# Altium PCB Base_logic_gate.PcbDoc
Units mil, origin at the board's own origin, x right, y up, seen from the top; angles counter-clockwise.
Board outline 3937.01 x 2433.07 mil, 2 copper layers (Top Layer, Bottom Layer); 104 components, 57 nets, 330 pads, 44 vias.
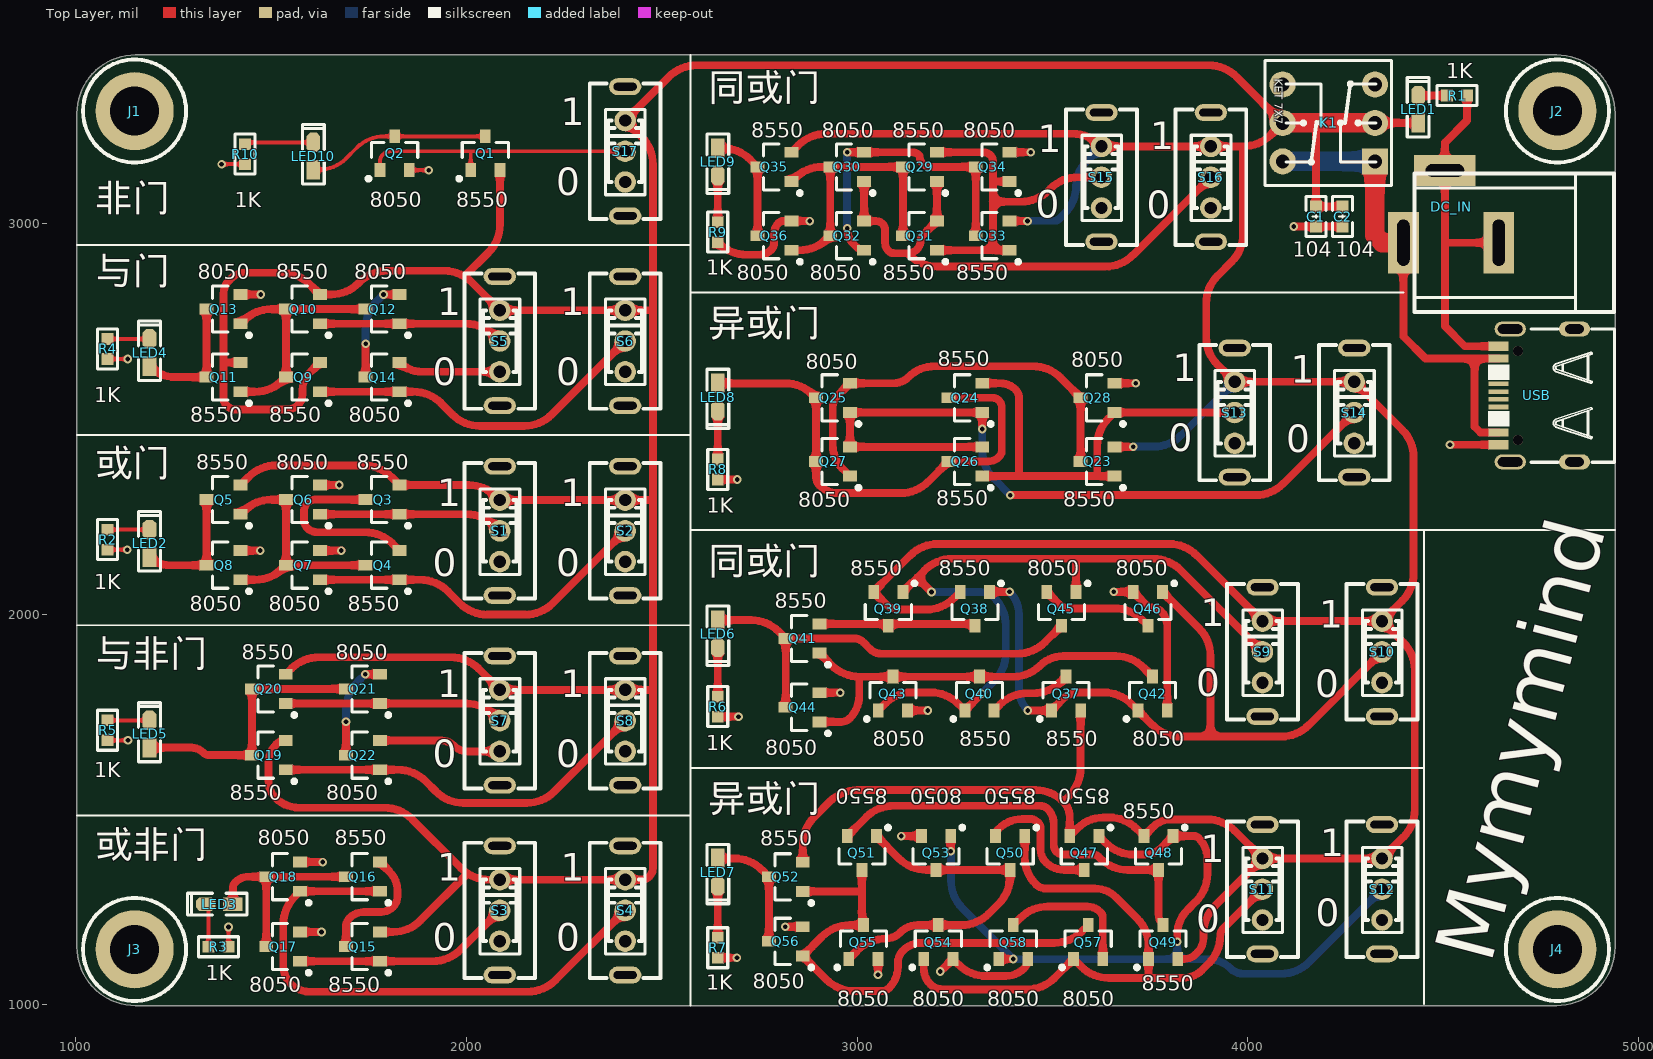
[diagram p0: Top Layer view]
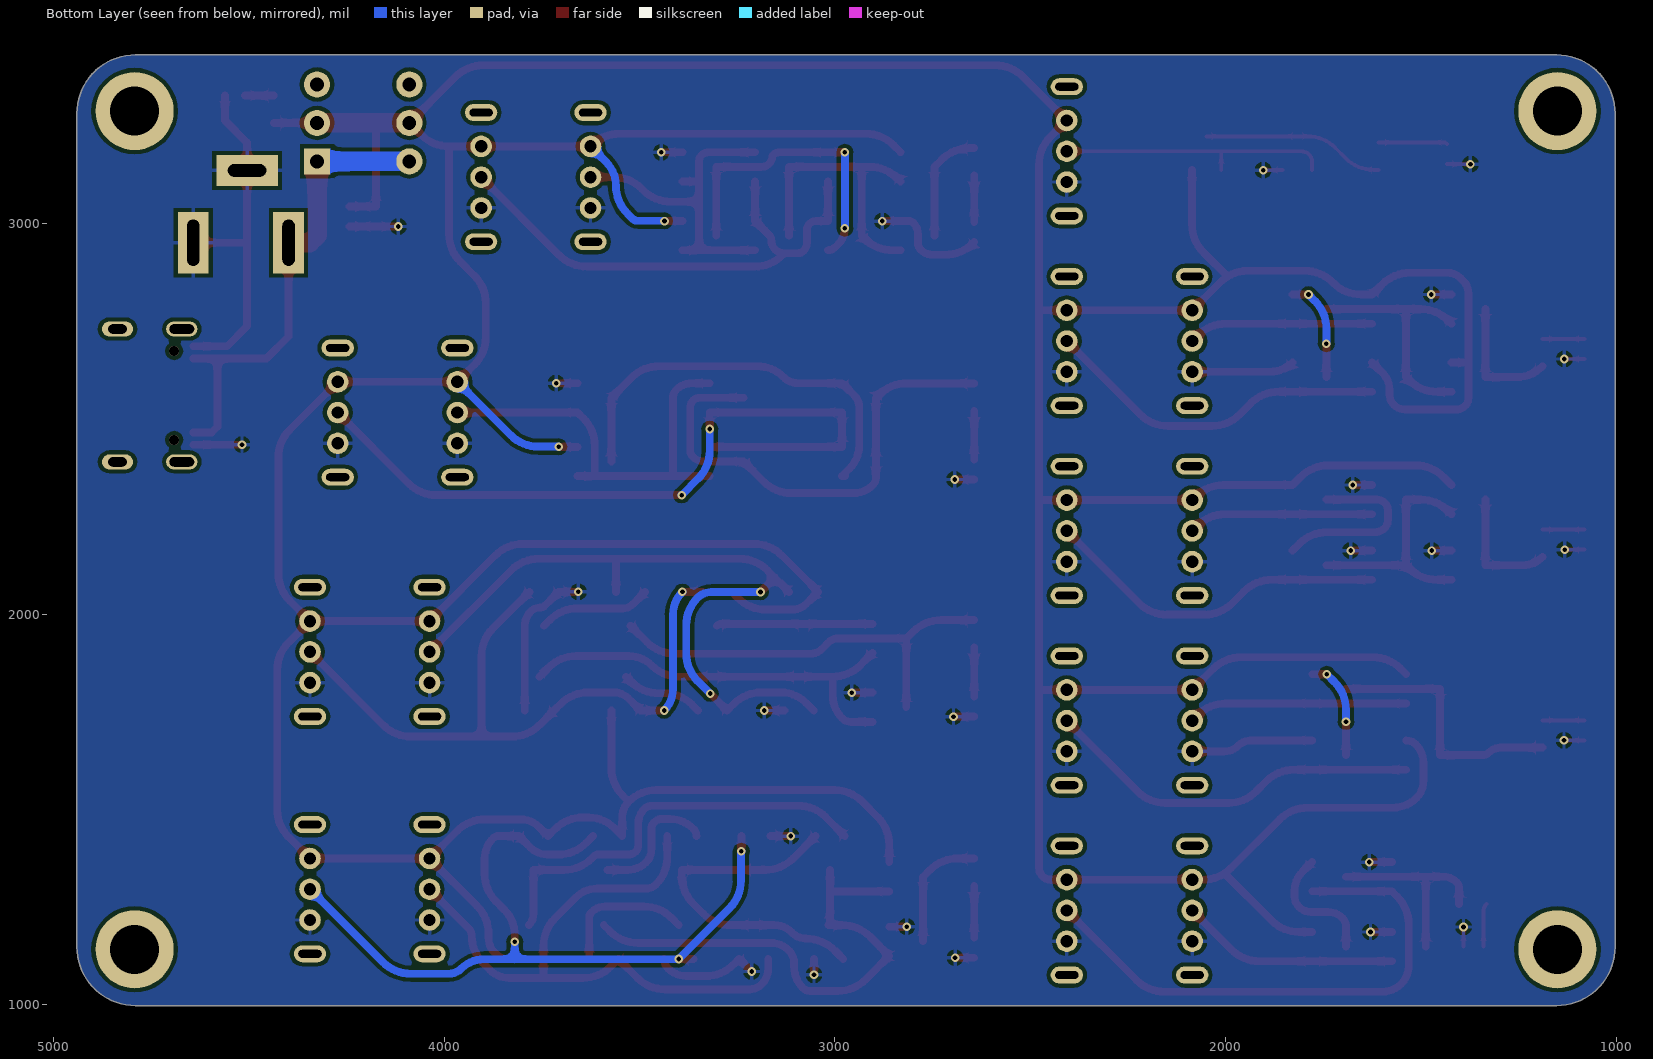
[diagram p1: Bottom Layer view, seen from below]
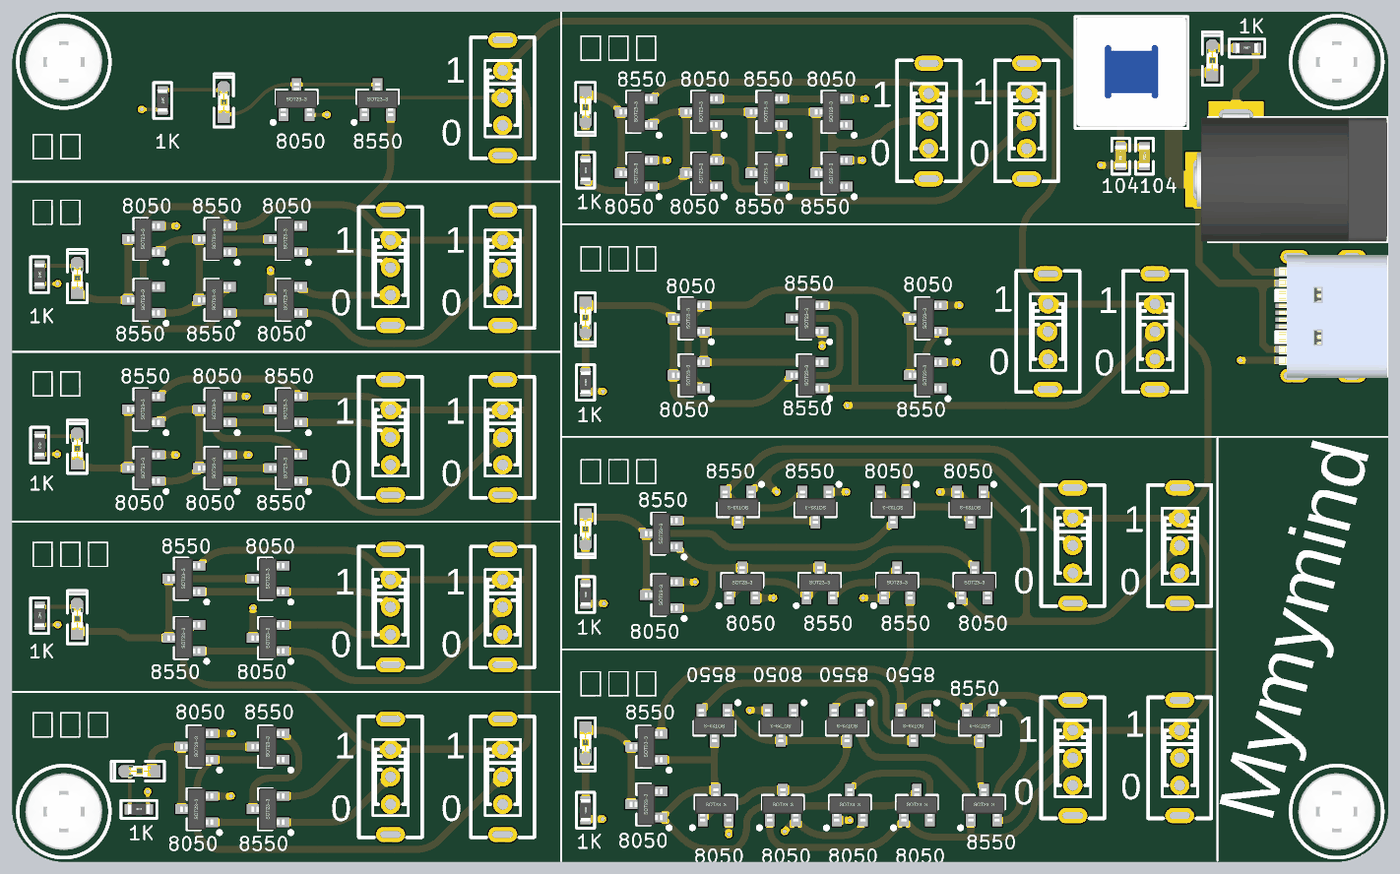
[diagram p2: 3D render of the assembled board from above, using the file's embedded part models]

## Layer stack, top to bottom
Top Solder: solder mask 0.4, Solder Resist, Dk 3.5
Top Layer: signal copper 1.4
Dielectric 1: dielectric 12.6, FR-4, Dk 4.8
Bottom Layer: signal copper 1.4
Bottom Solder: solder mask 0.4, Solder Resist, Dk 3.5

## Board outline
1002.63,1148.63 1002.63,3281.7 cw(c1152.63,3281.7) 1152.63,3431.7 4789.64,3431.7 cw(c4789.64,3281.7) 4939.64,3281.7 4939.64,1148.63 cw(c4789.64,1148.63) 4789.64,998.63 1152.63,998.63 cw(c1152.63,1148.63)

## Design rules (kind name [scope] priority, off if disabled: settings)
Clearance [All] p1: gap=10
PolygonConnect [All] p1: connectstyle=Relief reliefconductorwidth=10 reliefentries=4 polygonreliefangle="90 Angle" airgapwidth=10
RoutingVias [All] p1: holewidth=12 width=22 viastyle="Through Hole" minholewidth=12 minwidth=22 maxholewidth=200 maxwidth=500
SolderMaskExpansion [All] p1: expansion=4
Width [All] p1: maxlimit=500 minlimit=10 preferedwidth=10 minimp=50.000000 maximp=50.000000 favimp=50.000000
30 further rules are at their usual default settings.

## Components (designator, comment, footprint, x,y, rotation, side; value= is the part's Value field where it differs from the comment)
C1 "104" "C 0603_L" 4174,3018 r90 top
C2 "104" "C 0603_L" 4242,3018 r90 top
DC_IN "POWER" DC-005 4641.86,2951 r0 top
J1 "Socket" M3 1150.27,3288 r0 top locked
J2 "Socket" M3 4792,3288 r0 top locked
J3 "Socket" M3 1150.27,1142.33 r0 top locked
J4 "Socket" M3 4792,1142.33 r0 top locked
K1 "KET 7X7" "KFT DIP-8X8" 4206.89,3257.57 r90 top
LED1 "RED" "LED 0603B" 4436,3292.57 r90 top
LED2 "RED" "LED 0603B" 1188.95,2181.59 r90 top
LED3 "RED" "LED 0603B" 1367,1258.26 r180 top
LED4 "RED" "LED 0603B" 1188.95,2669.59 r90 top
LED5 "RED" "LED 0603B" 1188.95,1693.59 r90 top
LED6 "RED" "LED 0603B" 2642.74,1950 r270 top
LED7 "RED" "LED 0603B" 2642.74,1340 r270 top
LED8 "RED" "LED 0603B" 2642.74,2556 r270 top
LED9 "RED" "LED 0603B" 2642.74,3158 r270 top
LED10 "RED" "LED 0603B" 1608,3172.56 r90 top
Q1 "8550" SOT23-3L 2048,3180 r0 top
Q2 "8050" SOT23-3L 1816,3180 r0 top
Q3 "8550" SOT23-3L 1785,2293.4 r90 top
Q4 "8550" SOT23-3L 1785,2125.6 r90 top
Q5 "8550" SOT23-3L 1378,2293.4 r90 top
Q6 "8050" SOT23-3L 1581.5,2293.4 r90 top
Q7 "8050" SOT23-3L 1581.5,2125.6 r90 top
Q8 "8050" SOT23-3L 1378,2125.6 r90 top
Q9 "8550" SOT23-3L 1581.5,2607 r90 top
Q10 "8550" SOT23-3L 1581.5,2781 r90 top
Q11 "8550" SOT23-3L 1378,2607 r90 top
Q12 "8050" SOT23-3L 1785,2781 r90 top
Q13 "8050" SOT23-3L 1378,2781 r90 top
Q14 "8050" SOT23-3L 1785,2607 r90 top
Q15 "8550" SOT23-3L 1734.69,1149.4 r90 top
Q16 "8550" SOT23-3L 1734.69,1328.4 r90 top
Q17 "8050" SOT23-3L 1530.69,1149.4 r90 top
Q18 "8050" SOT23-3L 1530.69,1328.4 r90 top
Q19 "8550" SOT23-3L 1494,1639.4 r90 top
Q20 "8550" SOT23-3L 1494,1809 r90 top
Q21 "8050" SOT23-3L 1734.69,1809 r90 top
Q22 "8050" SOT23-3L 1734.69,1639.4 r90 top
Q23 "8550" SOT23-3L 3615,2391 r90 top
Q24 "8550" SOT23-3L 3276.5,2554 r90 top
Q25 "8050" SOT23-3L 2938,2554 r90 top
Q26 "8550" SOT23-3L 3276.5,2391 r90 top
Q27 "8050" SOT23-3L 2938,2391 r90 top
Q28 "8050" SOT23-3L 3615,2554 r90 top
Q29 "8550" SOT23-3L 3160.46,3145 r90 top
Q30 "8050" SOT23-3L 2974.23,3145 r90 top
Q31 "8550" SOT23-3L 3160.46,2969 r90 top
Q32 "8050" SOT23-3L 2974.23,2969 r90 top
Q33 "8550" SOT23-3L 3346.69,2969 r90 top
Q34 "8050" SOT23-3L 3346.69,3145 r90 top
Q35 "8550" SOT23-3L 2788,3145 r90 top
Q36 "8050" SOT23-3L 2788,2969 r90 top
Q37 "8550" SOT23-3L 3534.3,1797 r0 top
Q38 "8550" SOT23-3L 3301,2014 r180 top
Q39 "8550" SOT23-3L 3079.49,2014 r180 top
Q40 "8550" SOT23-3L 3312.8,1797 r0 top
Q41 "8550" SOT23-3L 2860,1938 r90 top
Q42 "8050" SOT23-3L 3755.8,1797 r0 top
Q43 "8050" SOT23-3L 3091.3,1797 r0 top
Q44 "8050" SOT23-3L 2860,1762 r90 top
Q45 "8050" SOT23-3L 3522.5,2014 r180 top
Q46 "8050" SOT23-3L 3744,2014 r180 top
Q47 "8550" SOT23-3L 3581.2,1389 r180 top
Q48 "8550" SOT23-3L 3771,1389 r180 top
Q49 "8550" SOT23-3L 3782.8,1161.08 r0 top
Q50 "8550" SOT23-3L 3391.4,1389 r180 top
Q51 "8550" SOT23-3L 3011.79,1389 r180 top
Q52 "8550" SOT23-3L 2817,1328 r90 top
Q53 "8050" SOT23-3L 3201.6,1389 r180 top
Q54 "8050" SOT23-3L 3207.4,1161.08 r0 top
Q55 "8050" SOT23-3L 3015.6,1161.08 r0 top
Q56 "8050" SOT23-3L 2817,1163 r90 top
Q57 "8050" SOT23-3L 3591,1161.08 r0 top
Q58 "8050" SOT23-3L 3399.2,1161.08 r0 top
R1 "1K" "R 0603_L" 4535.17,3327.58 r0 top
R2 "1K" "R 0603_L" 1081,2191 r270 top
R3 "1K" "R 0603_L" 1365,1149 r0 top
R4 "1K" "R 0603_L" 1081,2679 r270 top
R5 "1K" "R 0603_L" 1081,1703 r270 top
R6 "1K" "R 0603_L" 2643,1763.59 r270 top
R7 "1K" "R 0603_L" 2643,1146.41 r270 top
R8 "1K" "R 0603_L" 2643,2370.59 r270 top
R9 "1K" "R 0603_L" 2643,2978 r270 top
R10 "1K" "R 0603_L" 1433,3177.56 r270 top
S1 "BUTTON_DIP3" BTN8.8*4.6 2085,2292.24 r270 top
S2 "BUTTON_DIP3" BTN8.8*4.6 2406,2292.24 r270 top
S3 "BUTTON_DIP3" BTN8.8*4.6 2085,1320.74 r270 top
S4 "BUTTON_DIP3" BTN8.8*4.6 2406,1320.74 r270 top
S5 "BUTTON_DIP3" BTN8.8*4.6 2085,2777.99 r270 top
S6 "BUTTON_DIP3" BTN8.8*4.6 2406,2777.99 r270 top
S7 "BUTTON_DIP3" BTN8.8*4.6 2085,1806.49 r270 top
S8 "BUTTON_DIP3" BTN8.8*4.6 2406,1806.49 r270 top
S9 "BUTTON_DIP3" BTN8.8*4.6 4037,1982.49 r270 top
S10 "BUTTON_DIP3" BTN8.8*4.6 4343,1982.49 r270 top
S11 "BUTTON_DIP3" BTN8.8*4.6 4037,1375 r270 top
S12 "BUTTON_DIP3" BTN8.8*4.6 4343,1375 r270 top
S13 "BUTTON_DIP3" BTN8.8*4.6 3966,2594.99 r270 top
S14 "BUTTON_DIP3" BTN8.8*4.6 4272,2594.99 r270 top
S15 "BUTTON_DIP3" BTN8.8*4.6 3625,3197.48 r270 top
S16 "BUTTON_DIP3" BTN8.8*4.6 3905,3197.48 r270 top
S17 "BUTTON_DIP3" BTN8.8*4.6 2406,3263.74 r270 top
USB "USB TypeC" "USB Type-C" 4738.76,2560 r90 top

## Footprints (in the part's own frame and the unit in brackets; to place one, negate y for a bottom-side part, rotate by r counter-clockwise, add the part's x,y. Pads: shape width x height; smd on the part's side, far side on the other; paste and mask are expansions set on the pad)
BTN8.8*4.6 [mm]
  round 1.4 hole 0.8: 1(0,0) 2(2,0) 3(4,0)
  oval 1.1x2.1 hole 0.5 slot 1.5 at 90 deg: 4(-2.2,0) 5(6.2,0)
  silkscreen extent -2.4,-2.3 6.4,2.3, body extent -2.4,-2.3 6.4,2.27, height 6.5
"C 0603_L" [mil] "无极性贴片电容"
  rect 30x30 smd: 1(-25.59,0) 2(25.59,0)
  silkscreen extent -51,-26 51,26, body extent -31,-16 31,16, height 32
DC-005 [mm] "5.5*2.1mm，DC30V,2.5A"
  rect 2x4 hole 0.8 slot 3 at 90 deg: 1(-6.2,0) 2(0,0)
  rect 4x2 hole 0.8 slot 2.5 at 0 deg: 3(-3.5,4.7)
  silkscreen extent -5.48,-4.5 7.5,4.5, body extent -6.55,-4.5 7.5,4.8, height 11.2
"KFT DIP-8X8" [mm] "自锁开关，规格：8*8mm"
  rect 1.7x1.7 hole 0.9: 1(-2.5,-3)
  round 1.7 hole 0.9: 2(0,-3) 3(2.5,-3) 4(2.5,3) 5(0,3) 6(-2.5,3)
  silkscreen extent -4.06,-4.06 4.06,4.15, body extent -3.95,-3.95 4.05,4.05, height 13.1
"LED 0603B" [mil] "蓝色0603LED"
  rect 50x35 smd: 1(-35,0.26)
  oct 50x35 smd: 2(35,0.26)
  silkscreen extent -71,-28 81,28, body extent -31,-16 32,16, height 24
M3 [mil]
  round 200 hole 125: 1(0,0)
  silkscreen extent -132,-132 132,132, body extent -110,-110 110,110, height 96
"R 0603_L" [mil] "1/10W贴片电阻"
  rect 30x30 smd: 1(-25.59,0) 2(25.59,0)
  silkscreen extent -51,-26 51,26, body extent -31,-16 32,16, height 16
SOT23-3L [mm] "3x1.3x1mm(长宽高)"
  rect 0.7x0.9 smd: 1(-0.95,-1.1) 2(0.95,-1.1) 3(0,1.1)
  silkscreen extent -1.82,-1.78 1.5,0.71, body extent -1.5,-1.19 1.5,1.21, height 1.05
"USB Type-C" [mm] "USB Type-C 12P/16P"
  rect 0.6x1.3 smd mask+0.064: 1(-3.2,2.462) 12(3.2,2.462)
  rect 0.508x1.3 smd mask+0.064: 2(-2.4,2.462) 11(2.4,2.462)
  rect 0.3x1.3 smd mask+0.064: 5(-0.75,2.462) 6(-0.25,2.463) 7(0.25,2.463) 8(0.75,2.462)
  oval 0.965x2.032 hole 0.6 slot 1.6 at 90 deg: SH1(-4.32,1.718) SH3(4.32,1.717)
  oval 0.965x2.032 hole 0.6 slot 1.2 at 90 deg: SH2(-4.32,-2.462) SH4(4.32,-2.462)
  round 0.65 hole 0.65 unplated mask+0: ""(-2.89,1.218) ""(2.89,1.218)
  silkscreen extent -4.34,-5.07 4.32,3.18, body extent -4.47,-5.04 4.47,2.86, height 3.2

## Part data
C1 C2: library part C
DC_IN: library part P-DC, "低压电源接口"
K1: "7*7自锁开关"
LED1 LED2 LED3 LED4 LED5 LED6 LED7 LED8 LED9 LED10: library part LED, "发光二极管"
Q1 Q3 Q4 Q5 Q9 Q10 Q11 Q15 Q16 Q19 Q20 Q23 Q24 Q26 Q29 Q31 Q33 Q35 Q37 Q38 Q39 Q40 Q41 Q47 Q48 Q49 Q50 Q51 Q52: library part 8550PNP
Q2 Q6 Q7 Q8 Q12 Q13 Q14 Q17 Q18 Q21 Q22 Q25 Q27 Q28 Q30 Q32 Q34 Q36 Q42 Q43 Q44 Q45 Q46 Q53 Q54 Q55 Q56 Q57 Q58: library part 8050NPN
R1 R2 R3 R4 R5 R6 R7 R8 R9 R10: library part R
S1 S2 S3 S4 S5 S6 S7 S8 S9 S10 S11 S12 S13 S14 S15 S16 S17: library part SW-SPDT, "SPDT Subminiature Toggle Switch, Right Angle Mounting, Vertical Actuation"
USB: library part "USB 2.0 Type C", "12P TypeC 母座"

## Via types
v1: diameter 22, hole 12, Top Layer to Bottom Layer, 44 vias

## Nets (pads, with @x,y where several pads share a name; then routed paths per layer and width w, separated by ;. In a path a pad name is that pad's centre, name@x,y a point inside that pad or via, vN(x,y) a via of type N, cw(c..) or ccw(c..) an arc to the next point about the centre after c; other vN are vias at no path point)
G1A: Q3.1 Q6.1 S1.2 | length 473.5
  Top Layer w20: Q6.1 Q3.1 2001.08,2256 cw(c2001.08,2156) 2071.79,2226.71 S1.2
G1B: Q4.1 Q7.1 S2.2 | length 894.1
  Top Layer w20: Q7.1 1881.38,2088.2 cw(c1881.38,1988.2) 1952.09,2058.91 1982.71,2028.29 ccw(c2053.42,2099) 2053.42,1999 2150.08,1999 ccw(c2150.08,2099) 2220.79,2028.29 S2.2
G2A: Q15.1 Q17.1 S3.2 | length 560.5
  Top Layer w20: Q17.1 1913.58,1112 ccw(c1913.58,1212) 1984.29,1141.29 S3.2
G2B: Q16.1 Q18.1 S4.2 | length 1402.8
  Top Layer w20: Q16.1 Q18.1 1560.29,1277.29 ccw(c1631,1206.58) 1531,1206.58 1531,1099.87 ccw(c1595.87,1099.87) 1550,1054 ccw(c1598.28,1102.28) 1598.28,1034 2156.58,1034 ccw(c2156.58,1134) 2227.29,1063.29 S4.2
G3A: Q10.1 Q12.1 S5.2 | length 474.3
  Top Layer w20: Q10.1 1999.23,2743.6 cw(c1999.23,2643.6) 2069.94,2714.31 S5.2
G3B: Q9.1 Q14.1 S6.2 | length 894.6
  Top Layer w20: Q9.1 Q14.1 1863.98,2569.6 cw(c1863.98,2469.6) 1934.69,2540.31 1963.71,2511.29 ccw(c2034.42,2582) 2034.42,2482 2147.33,2482 ccw(c2147.33,2582) 2218.04,2511.29 S6.2
G4A: Q20.1 Q21.1 S7.2 | length 561.6
  Top Layer w20: Q20.1 Q21.1 1999.73,1771.6 cw(c1999.73,1671.6) 2070.44,1742.31 S7.2
G4B: Q19.1 Q22.1 S8.2 | length 978.3
  Top Layer w20: Q19.1 Q22.1 1824.58,1602 cw(c1824.58,1502) 1895.29,1572.71 1921.71,1546.29 ccw(c1992.42,1617) 1992.42,1517 2153.83,1517 ccw(c2153.83,1617) 2224.54,1546.29 S8.2
G5A: Q39.1 Q40.1 Q43.1 Q45.1 S9.2 | length 1933.8
  Top Layer w20: Q43.1 3073.48,1773.27 cw(c3138,1708.75) 3138,1800 3187.67,1800 cw(c3187.67,1700) 3258.38,1770.71 Q40.1 v1(3318.7,1797) ; Q39.1 3153.29,2093.71 ; v1(3190,2057) 3153.29,2093.71 ; Q45.1 3559.9,2139.83 ccw(c3556.83,2139.83) 3559,2142 ; S9.2 3828.04,2112.71 ccw(c3757.33,2042) 3757.33,2142 3559,2142 ; 3153.29,2093.71 3172.3,2112.71 cw(c3243.01,2042) 3243.01,2142 3559,2142
  Bottom Layer w20: v1(3190,2057) 3315.2,2057 cw(c3315.2,2006.77) 3350.71,2042.29 cw(c3280,1971.58) 3380,1971.58 3380,1899.72 cw(c3280,1899.72) 3350.71,1829.01 v1(3318.7,1797)
G5B: Q37.1 Q38.1 Q42.1 Q46.1 S10.2 | length 1831.2
  Top Layer w20: Q38.1 v1(3389.84,2057.31) ; v1(3436.67,1753.69) Q37.1 3527.09,1783.88 cw(c3566,1744.97) 3566,1800 3630.67,1800 cw(c3630.67,1700) 3701.38,1770.71 Q42.1 3755.8,1716.29 ccw(c3826.52,1787) 3826.52,1687 3904,1687 ; Q46.1 3874.71,1964 cw(c3804,1893.29) 3904,1893.29 3904,1687 ; S10.2 4155.54,1716.29 cw(c4084.83,1787) 4084.83,1687 3904,1687
  Bottom Layer w20: v1(3389.84,2057.31) cw(c3331.53,1998.99) 3414,1998.99 3414,1808.43 ccw(c3491.41,1808.43) v1(3436.67,1753.69)
G6A: Q49.1 Q50.1 Q54.1 Q57.1 S11.2 | length 1664.7
  Top Layer w20: Q54.1 3170,1094.05 ccw(c3228.05,1094.05) 3187,1053 ccw(c3218.38,1084.38) 3218.38,1040 3434.41,1040 ccw(c3434.41,1140) 3505.12,1069.29 Q57.1 3573.08,1098.29 ccw(c3643.79,1169) 3643.79,1069 3745,1069 ; Q50.1 3428.8,1377.08 ccw(c3525.08,1377.08) 3457,1309 ccw(c3483.56,1335.56) 3483.56,1298 3607.47,1298 cw(c3607.47,1219.47) 3663,1275 3716.11,1221.89 cw(c3645.4,1151.18) 3745.4,1151.18 Q49.1 3745.4,1069.97 cw(c3744.03,1069.97) 3745,1069 ; S11.2 3936.66,1195.92 ccw(c3955.17,1177.42) 3929,1177.42 cw(c3829,1177.42) 3899.71,1106.71 3883,1090 cw(c3832.3,1140.7) 3832.3,1069 3745,1069
G6B: Q47.1 Q48.1 Q53.1 Q58.1 S12.2 | length 2081.6
  Top Layer w20: v1(3239,1393.42) Q53.1 ; Q58.1 v1(3399.14,1117.77) ; Q47.1 3636.62,1414.29 ccw(c3707.33,1485) 3707.33,1385 3735,1385 ccw(c3735,1448) 3779.55,1403.45 Q48.1 3861.19,1432.31 cw(c3861.19,1414.19) 3874,1427 cw(c3820.89,1373.89) 3896,1373.89 3896,1335.42 cw(c3796,1335.42) 3866.71,1264.71 3845,1243 ccw(c3907.77,1180.23) 3819,1180.23 v1(3819,1162)
  Bottom Layer w20: v1(3239,1393.42) ccw(c3242.42,1393.42) 3240,1391 3240,1318.33 ccw(c3340,1318.33) 3269.29,1247.62 v1(3399.14,1117.77) cw(c3399.14,1115.14) 3401,1117 3819,1117 ; v1(3819,1162) 3819,1117 ; S12.2 4156.03,1109.29 cw(c4085.32,1180) 4085.32,1080 3987.38,1080 cw(c3987.38,1124.38) 3956,1093 ccw(c3898.06,1035.06) 3898.06,1117 3819,1117
G7A: Q23.1 Q24.2 Q26.1 Q28.1 S13.2 | length 1137.3
  Top Layer w20: Q26.1 3413,2353.6 ; Q24.2 3365.4,2591.4 cw(c3365.4,2535.4) 3405,2575 cw(c3383.27,2553.27) 3414,2553.27 3414,2356.01 cw(c3410.59,2356.01) 3413,2353.6 ; Q23.1 3613,2353.6 ; S13.2 3658.66,2516.25 Q28.1 3643.29,2501.58 ccw(c3714,2430.87) 3614,2430.87 3614,2356.01 cw(c3610.59,2356.01) 3613,2353.6 ; 3413,2353.6 3613,2353.6
G7B: Q24.1 Q25.1 Q26.2 Q27.2 S14.2 | length 1965.7
  Top Layer w20: Q26.2 Q27.2 Q25.1 Q24.1 v1(3319.81,2474.19) ; v1(3391.83,2305) 4019.33,2305 ccw(c4019.33,2405) 4090.04,2334.29 S14.2
  Bottom Layer w20: v1(3319.81,2474.19) 3319.81,2418.44 ccw(c3419.81,2418.44) 3349.1,2347.73 v1(3391.83,2305)
G8A: Q29.2 Q31.1 Q33.1 Q34.1 S15.2 | length 908.9
  Top Layer w20: Q31.1 3347,2931.6 ; Q29.2 3323.13,3182.4 cw(c3323.13,3157.13) 3341,3175 cw(c3326.51,3160.51) 3347,3160.51 3347,3108 ; Q33.1 3347,2931.6 ; Q34.1 3347.97,3107.6 cw(c3347.97,3108.97) 3347,3108 ; S15.2 3565.16,3118.74 ccw(c3565.16,3018.74) 3494.45,3089.45 3490.29,3085.29 cw(c3419.58,3156) 3419.58,3056 3347,3056 ; 3347,2931.6 3347,3056 ; 3347,3056 3347,3108
G8B: Q29.1 Q30.1 Q31.2 Q32.2 S16.2 | length 1369.4
  Top Layer w20: Q30.1 Q32.2 3047.13,3006.4 cw(c3047.13,2981.13) 3065,2999 cw(c3050.51,2984.51) 3071,2984.51 3071,2951.73 ccw(c3101.73,2951.73) 3080,2930 ccw(c3094.49,2944.49) 3094.49,2924 3129.13,2924 ; Q29.1 Q31.2 3168.1,2970.74 ccw(c3182.84,2956) 3162,2956 cw(c3130.62,2956) 3152.81,2933.81 cw(c3129.13,2957.49) 3129.13,2924 ; S16.2 3705.55,2919.29 cw(c3634.84,2990) 3634.84,2890 3204.55,2890 cw(c3204.55,2990) 3133.84,2919.29 3129.13,2924
G9A: Q1.1 Q2.1 S17.2 | length 712.9
  Top Layer w10: Q2.1 1778.6,3159.13 cw(c1803.87,3159.13) 1786,3177 cw(c1805.31,3157.69) 1805.31,3185 2010,3185 ; Q1.1 2010.6,3183.56 ccw(c2008.56,3183.56) 2010,3185 ; S17.2 2010,3185
GND: C1.1 C2.1 DC_IN.2 DC_IN.3 Q2.2 Q6.2 Q7.2 Q8.2 Q13.2 Q14.2 Q17.2 Q18.2 Q22.2 Q28.2 Q34.2 Q36.2 Q42.2 Q43.2 Q44.2 Q46.2 Q53.2 Q54.2 Q55.2 Q56.2 Q58.2 R1.2 R2.2 R3.2 R4.2 R5.2 R6.2 R7.2 R8.2 R9.2 R10.2 S1.3 S2.3 S3.3 S4.3 S5.3 S6.3 S7.3 S8.3 S9.3 S10.3 S11.3 S12.3 S13.3 S14.3 S15.3 S16.3 S17.3 USB.1 USB.12 | length 3864.2
  Top Layer w10: R5.2 v1(1133.41,1677.41) ; R2.2 v1(1131.59,2165.41) ; R4.2 v1(1132.59,2653.41) ; v1(1372.97,3151.97) R10.2 ; R3.2 v1(1390.59,1199.59) ; Q2.2 v1(1903.33,3136.69)
  Top Layer w20: Q8.2 v1(1472,2163) ; Q13.2 v1(1473.03,2818.4) ; Q17.2 v1(1628.8,1186.8) ; Q18.2 v1(1631.8,1365.8) ; Q7.2 v1(1679.59,2163) ; Q6.2 v1(1674.11,2330.8) ; Q22.2 1936.09,1676.8 cw(c1936.09,1633.09) 1967,1664 ccw(c2003.19,1700.19) 2003.19,1649.01 S7.3 ; Q14.2 ccw(c1885.99,2702.08) 1885.99,2620.51 S5.3 ; R7.2 v1(2692.02,1120.82) ; R6.2 v1(2696,1738) ; R8.2 v1(2693,2345) ; R9.2 2646.12,2949.29 ccw(c2716.83,3020) 2716.83,2920 2748.62,2920 ccw(c2748.62,2964.38) 2780,2933 ccw(c2763.1,2949.9) 2787,2949.9 2787,2973.03 cw(c2827.97,2973.03) 2799,3002 cw(c2809.63,2991.37) 2809.63,3006.4 Q36.2 v1(2878.03,3006.4) ; v1(2815.97,1200.4) Q56.2 ; Q44.2 v1(2956.03,1799.4) ; v1(3053,1077.24) Q55.2 ; v1(3112.31,1432.31) Q53.2 ; Q43.2 v1(3180.69,1753.69) ; v1(3212.69,1085.66) Q54.2 3259.28,1103.29 ccw(c3329.99,1174) 3329.99,1074 3379.31,1074 ccw(c3379.31,1140.86) 3426.58,1093.58 ccw(c3402.39,1117.77) Q58.2 ; Q34.2 v1(3444.03,3182.4) ; v1(3656.31,2057.31) Q46.2 3741.99,2021.92 ccw(c3753.86,2033.78) 3753.86,2017 cw(c3753.86,1982.86) 3778,2007 cw(c3741.29,1970.29) 3793.2,1970.29 Q42.2 ; Q28.2 v1(3713.03,2591.4) ; v1(4116.98,2992.41) C1.1 C2.1 ; v1(4516.98,2434.02) USB.1 ; R1.2 4560.76,3263.76 4504.07,3207.07 DC_IN.3 4504.07,2947 ; USB.12 4555.02,2685.98 4504.07,2736.93 4504.07,2947 ; DC_IN.2 4508.07,2951 4504.07,2947
  Bottom Layer w10: v1(1390.59,1199.59) cw(c1395.41,1199.59) v1@1392,1203 ; v1(1903.33,3136.69) cw(c1903.33,3134.33) v1@1905,3136
  Bottom Layer w20: v1(1473.03,2818.4) cw(c1473.03,2817.03) v1@1474,2818 ; v1@2815,1200 cw(c2815.97,1199.03) v1(2815.97,1200.4) ; v1(2878.03,3006.4) cw(c2878.03,3005.03) v1@2879,3006 ; v1(2956.03,1799.4) cw(c2956.03,1798.03) v1@2957,1799 ; v1(3444.03,3182.4) cw(c3444.03,3181.03) v1@3445,3182 ; v1(3713.03,2591.4) cw(c3713.03,2590.03) v1@3714,2591 ; v1@4116,2992 cw(c4116.98,2991.02) v1(4116.98,2992.41)
GO1: LED2.1 Q5.3 Q8.3 | length 319.4
  Top Layer w20: LED2.1 ccw(c1239.38,2197.28) 1239.38,2125.6 Q8.3 Q5.3
GO2: LED3.1 Q16.3 Q17.3 Q18.3 | length 523.8
  Top Layer w20: LED3.1 1402,1299.51 cw(c1422.49,1299.51) 1408,1314 cw(c1442.77,1279.23) 1442.77,1328.4 Q18.3 ; Q17.3 Q18.3 ; Q16.3 Q18.3
GO3: LED4.1 Q11.3 Q13.3 | length 327.4
  Top Layer w20: LED4.1 ccw(c1255.31,2701.21) 1255.31,2607 Q11.3 Q13.3
GO4: LED5.1 Q19.3 Q20.3 Q21.3 | length 677.4
  Top Layer w20: LED5.1 1295.6,1658.59 cw(c1295.6,1615.6) 1326,1646 ccw(c1341.93,1661.93) 1341.93,1639.4 Q19.3 Q20.3 Q21.3
GO5: LED6.1 Q41.3 Q44.3 Q45.3 | length 1109
  Top Layer w20: LED6.1 2728.28,1985 cw(c2728.28,1885) 2798.99,1955.71 Q41.3 ; Q44.3 Q41.3 ; Q45.3 3480.09,1928.29 cw(c3409.38,1999) 3409.38,1899 3061.73,1899 cw(c3061.73,1939.4) 3033.17,1910.83 3016,1928 ccw(c2991.86,1903.86) 2991.86,1938 Q41.3
GO6: LED7.1 Q52.3 Q56.3 | length 310.9
  Top Layer w20: LED7.1 2685.27,1375 cw(c2685.27,1275) 2755.98,1345.71 Q52.3 Q56.3
GO7: LED8.1 Q24.3 Q25.3 Q26.3 Q27.3 | length 1266.2
  Top Layer w20: LED8.1 2816.27,2591 cw(c2816.27,2491) 2886.98,2561.71 Q25.3 Q27.3 2894.69,2350.05 ccw(c2923.05,2350.05) 2903,2330 ccw(c2951.28,2378.28) 2951.28,2310 3110.77,2310 ccw(c3110.77,2410) 3181.48,2339.29 Q26.3 3334.03,2391 ccw(c3334.03,2431.97) 3363,2403 ccw(c3346.1,2419.9) 3370,2419.9 3370,2528.69 ccw(c3342.69,2528.69) 3362,2548 ccw(c3347.51,2533.51) 3347.51,2554 Q24.3
GO8: LED9.1 Q35.3 Q36.3 | length 293.3
  Top Layer w20: LED9.1 2655.27,3193 cw(c2655.27,3093) 2725.98,3163.71 Q35.3 Q36.3
GO9: LED10.1 Q1.3 Q2.3 | length 467.2
  Top Layer w10: LED10.1 1621.14,3137.56 ccw(c1621.14,3237.56) 1691.85,3166.85 1719.02,3194.02 cw(c1789.73,3123.31) 1789.73,3223.31 Q2.3 Q1.3
NetLED1_2: LED1.2 R1.1 | length 73.8
  Top Layer w20: LED1.2 R1.1
NetLED2_2: LED2.2 R2.1 | length 107.7
  Top Layer w10: R2.1 LED2.2
NetLED3_2: LED3.2 R3.1 | length 111
  Top Layer w10: LED3.2 cw(c1314.12,1240.12) 1339.41,1240.12 R3.1
NetLED4_2: LED4.2 R4.1 | length 107.7
  Top Layer w10: R4.1 LED4.2
NetLED5_2: LED5.2 R5.1 | length 107.7
  Top Layer w10: R5.1 LED5.2
NetLED6_2: LED6.2 R6.1 | length 125.8
  Top Layer w20: R6.1 LED6.2
NetLED7_2: LED7.2 R7.1 | length 133
  Top Layer w20: R7.1 LED7.2
NetLED8_2: LED8.2 R8.1 | length 124.8
  Top Layer w20: R8.1 LED8.2
NetLED9_2: LED9.2 R9.1 | length 119.4
  Top Layer w20: R9.1 LED9.2
NetLED10_2: LED10.2 R10.1 | length 176.6
  Top Layer w10: R10.1 1437.41,3207.56 LED10.2
NetQ3_3: Q3.3 Q4.2 | length 474.6
  Top Layer w20: Q3.3 1612.28,2293.4 ccw(c1612.28,2264.72) 1592,2285 ccw(c1611.31,2265.69) 1584,2265.69 1584,2241.73 ccw(c1614.73,2241.73) 1593,2220 ccw(c1617.14,2244.14) 1617.14,2210 1739.89,2210 cw(c1739.89,2110) 1810.6,2180.71 Q4.2
NetQ4_3: Q4.3 Q5.1 Q6.3 Q7.3 Q8.1 | length 627.5
  Top Layer w20: Q8.1 1459.37,2088.2 ccw(c1459.37,2188.2) 1530.08,2117.49 Q7.3 ; Q5.1 1429.42,2264.11 cw(c1500.13,2193.4) 1500.13,2293.4 Q6.3 Q7.3 ; Q4.3 Q7.3
NetQ9_3: Q9.3 Q10.3 Q11.1 Q12.3 Q13.1 | length 633.7
  Top Layer w20: Q11.1 1459.37,2569.6 ccw(c1459.37,2669.6) 1530.08,2598.89 Q9.3 Q10.3 ; Q13.1 1429.42,2751.71 cw(c1500.13,2681) 1500.13,2781 Q10.3 ; Q12.3 Q10.3
NetQ12_2: Q12.2 Q14.3 | length 266.9
  Top Layer w20: Q14.3 v1(1741.69,2692.6) ; v1(1787.38,2818.4) Q12.2
  Bottom Layer w20: v1(1741.69,2692.6) 1741.69,2731.29 cw(c1841.69,2731.29) 1770.98,2802 v1(1787.38,2818.4)
NetQ15_3: Q15.3 Q16.2 | length 328.1
  Top Layer w20: Q15.3 1691.39,1199.79 cw(c1724.21,1199.79) 1701,1223 cw(c1737.21,1186.79) 1737.21,1238 1780.62,1238 ccw(c1780.62,1282.38) 1812,1251 ccw(c1785.44,1277.56) 1823,1277.56 1823,1293 ccw(c1755.88,1293) 1803.34,1340.46 Q16.2
NetQ21_2: Q21.2 Q22.3 | length 260.6
  Top Layer w20: Q22.3 v1(1691.39,1725.27) ; v1(1740.38,1846.4) Q21.2
  Bottom Layer w20: v1(1691.39,1725.27) 1691.39,1755.98 cw(c1791.39,1755.98) 1720.68,1826.69 v1(1740.38,1846.4)
NetQ23_3: Q23.3 Q25.2 Q27.1 Q28.3 | length 1071.1
  Top Layer w20: Q27.1@2973.53,2353.6 Q27.1 2962.52,2372.38 cw(c3024.14,2434) 2937,2434 2937,2530 cw(c2978.27,2530) 2949.09,2559.18 Q25.2 3093.34,2591.4 ccw(c3093.34,2644.66) 3131,2607 cw(c3198.6,2539.4) 3198.6,2635 3449.27,2635 cw(c3449.27,2535) 3519.98,2605.71 Q28.3 Q23.3
NetQ29_3: Q29.3 Q30.3 Q31.3 Q32.3 Q35.1 Q36.1 | length 759.8
  Top Layer w20: Q36.1 2852.1,2931.6 ccw(c2852.1,3031.6) 2922.81,2960.89 Q32.3 Q30.3 ; Q35.1 2839.42,3115.71 cw(c2910.13,3045) 2910.13,3145 Q30.3 ; Q31.3 Q29.3 Q30.3
NetQ30_2: Q30.2 Q32.1 Q33.3 Q34.3 | length 797.4
  Top Layer w20: v1(2973.97,2988.12) ccw(c3032.12,2988.12) 2991,2947 2998.53,2939.47 ccw(c3017.54,2958.48) Q32.1 ; v1(2973.97,3182.4) Q30.2 3141.55,3182.4 cw(c3141.55,3160.55) 3157,3176 3159.46,3173.54 3159.46,3172.92 ccw(c3186.95,3172.92) 3167.51,3153.49 ccw(c3188,3173.97) 3188,3145 Q34.3 Q33.3
  Bottom Layer w20: v1@2973,3182 cw(c2973.97,3181.03) v1(2973.97,3182.4) v1(2973.97,2988.12)
NetQ37_3: Q37.3 Q40.2 | length 211.4
  Top Layer w20: Q40.2 3365.22,1768.71 cw(c3435.93,1698) 3435.93,1798 3450.57,1798 ccw(c3450.57,1898) 3521.28,1827.29 Q37.3
NetQ38_3: Q38.3 Q39.3 Q41.2 | length 398.9
  Top Layer w20: Q41.2 3289.63,1975.4 cw(c3289.63,1959.33) Q38.3
NetQ40_3: Q40.3 Q41.1 Q42.3 Q43.3 Q44.1 | length 1097.7
  Top Layer w20: Q44.1 2958.3,1724.6 ccw(c2958.3,1756.7) 2981,1734 ccw(c2923.01,1791.99) 3005.02,1791.99 3005.02,1840.31 ; Q41.1 2934.31,1869.6 ccw(c3005.02,1940.31) 3005.02,1840.31 ; Q42.3 3732.4,1863.71 ccw(c3661.69,1793) 3661.69,1893 3527.36,1893 ccw(c3527.36,1807.64) 3467,1868 cw(c3400.14,1934.86) 3400.14,1840.31 Q40.3 3005.02,1840.31
NetQ45_2: Q45.2 Q46.3 | length 288.9
  Top Layer w20: Q45.2 3516.38,2026.03 ccw(c3543,2052.65) 3543,2015 3658.27,2015 cw(c3658.27,1915) 3728.98,1985.71 Q46.3
NetQ47_3: Q47.3 Q50.2 | length 341.8
  Top Layer w20: Q50.2 cw(c3379.8,1432.31) 3361.55,1450.55 3362,1451 cw(c3422.36,1390.64) 3422.36,1476 3442,1476 cw(c3442,1447.03) 3462.49,1467.51 3463,1467 cw(c3448.51,1452.51) 3469,1452.51 3469,1398.8 ccw(c3516.8,1398.8) 3483,1365 ccw(c3529.61,1411.61) 3529.61,1345.69 Q47.3
NetQ48_3: Q48.3 Q49.3 Q51.2 | length 1077.3
  Top Layer w20: Q51.2 3022.8,1480.71 cw(c3093.51,1410) 3093.51,1510 3467.69,1510 cw(c3467.69,1482.69) 3487,1502 cw(c3448.37,1463.37) 3503,1463.37 3503,1407.49 ccw(c3523.49,1407.49) 3509,1393 ccw(c3528.31,1412.31) 3528.31,1385 3604.86,1385 cw(c3604.86,1367.76) 3617.05,1379.95 3622.02,1374.98 ccw(c3692.73,1445.69) 3692.73,1345.69 Q48.3 3771,1232.88 ccw(c3811.3,1232.88) Q49.3
NetQ50_3: Q50.3 Q51.1 Q53.3 Q54.3 Q55.1 | length 897
  Top Layer w20: Q55.1 2999.23,1138.8 cw(c3074.54,1063.48) 3074.54,1170 ccw(c3074.54,1216.97) 3107.76,1183.76 3109.67,1185.67 cw(c3154.86,1140.47) 3154.86,1204.39 Q54.3 3265.96,1204.39 ccw(c3265.96,1304.39) 3336.67,1233.67 3362.11,1259.11 ccw(c3291.4,1329.82) 3391.4,1329.82 Q50.3 Q53.3 3177.23,1345.69 cw(c3177.23,1445.69) 3106.52,1374.98 Q51.1
NetQ51_3: Q51.3 Q52.1 Q55.3 Q56.1 Q57.3 | length 1332.7
  Top Layer w20: Q52.1 3010.35,1290.6 cw(c3010.35,1288.56) 3011.79,1290 ; Q51.3 3011.79,1290 ; Q57.3 3574.91,1188.29 cw(c3504.19,1259) 3504.19,1159 3163.87,1159 ccw(c3163.87,1094.13) 3118,1140 3116.02,1138.02 ccw(c3145.04,1109) 3104,1109 3104,1098.53 cw(c3025.47,1098.53) 3081,1043 cw(c3064.1,1059.9) 3064.1,1036 2991.33,1036 cw(c2991.33,1136) 2920.62,1065.29 Q56.1 2909.8,1175.1 cw(c2980.52,1104.39) 2980.52,1204.39 Q55.3 cw(c3024.78,1213.57) 3011.79,1213.57 3011.79,1290
NetQ57_2: Q57.2 Q58.3 | length 363.9
  Top Layer w20: Q58.3 3417.52,1222.71 cw(c3488.24,1152) 3488.24,1252 3588.2,1252 cw(c3588.2,1204.2) 3622,1238 cw(c3606.54,1222.54) 3628.4,1222.54 Q57.2
USB: DC_IN.1 K1.1 K1.6 USB.2 USB.11 | length 1255.6
  Top Layer w20: DC_IN.1 4397.77,2711.23 4454.51,2654.49 4580,2654.49 ; USB.2 4594.49,2465.51 4580,2480 4580,2654.49 ; USB.11 4580,2654.49
  Top Layer w50: K1.1 4325,2970 4344,2951 DC_IN.1
  Bottom Layer w50: K1.6 K1.1
VCC: C1.2 C2.2 K1.2 K1.5 LED1.1 Q1.2 Q3.2 Q5.2 Q9.2 Q10.2 Q11.2 Q15.2 Q19.2 Q20.2 Q23.2 Q33.2 Q35.2 Q37.2 Q38.2 Q39.2 Q47.2 Q48.2 Q49.2 Q52.2 S1.1 S2.1 S3.1 S4.1 S5.1 S6.1 S7.1 S8.1 S9.1 S10.1 S11.1 S12.1 S13.1 S14.1 S15.1 S16.1 S17.1 | length 18525.3
  Top Layer w20: Q5.2 1442.21,2351.71 cw(c1512.93,2281) 1512.93,2381 1736.69,2381 cw(c1736.69,2281) 1807.4,2351.71 Q3.2 2005.02,2330.8 cw(c2005.02,2230.8) 2075.73,2301.51 S1.1 S2.1 2476.76,2292.24 2477,2292 ; Q11.2 1381.38,2644.4 ccw(c1381.38,2639.62) 1378,2643 ; Q19.2 ccw(c1537.31,1641.79) 1512.55,1666.55 ccw(c1559.74,1619.36) 1493,1619.36 1493,1573.46 ccw(c1554.46,1573.46) 1511,1530 ccw(c1571.36,1590.36) 1571.36,1505 1789.58,1505 cw(c1789.58,1405) 1860.29,1475.71 1985.97,1350.03 ccw(c2056.68,1420.74) 2002.46,1336.72 ; Q20.2 1551.62,1860.71 cw(c1622.33,1790) 1622.33,1890 1960.07,1890 cw(c1960.07,1790) 2030.78,1860.71 S7.1 S8.1 2473.35,1806.49 ccw(c2473.35,1811.65) 2477,1808 ; Q9.2 1597.26,2616.85 ccw(c1638.91,2575.19) 1580,2575.19 1580,2562.56 cw(c1542.44,2562.56) 1569,2536 cw(c1540.03,2564.97) 1540.03,2524 1410.14,2524 cw(c1410.14,2558.14) 1386,2534 cw(c1405.31,2553.31) 1378,2553.31 1378,2643 ; Q15.2 1811.13,1186.8 ccw(c1811.13,1286.8) 1881.84,1216.09 2002.46,1336.72 ; Q1.2 2085.4,2996.83 cw(c1985.4,2996.83) 2056.11,2926.12 1994.47,2864.48 ; Q35.2 2849.62,3200.71 cw(c2920.33,3130) 2920.33,3230 3551.06,3230 cw(c3551.06,3130) S15.1@3621.77,3200.71 ; Q52.2 2860.31,1409.89 cw(c2960.31,1409.89) 2889.6,1480.6 2929.71,1520.71 cw(c3000.42,1450) 3000.42,1550 3456.58,1550 cw(c3456.58,1450) 3527.29,1520.71 ; Q38.2 3247.58,2041.29 cw(c3176.87,2112) 3176.87,2012 3108,2012 cw(c3108,2061.73) 3072.83,2026.57 Q39.2 3135.5,2150.71 cw(c3206.21,2080) 3206.21,2180 3798.07,2180 cw(c3798.07,2080) 3868.78,2150.71 S9.1 S10.1 ; Q33.2 v1(3435.56,3006.4) ; Q37.2 3571.7,1606.55 cw(c3471.7,1606.55) 3542.41,1535.83 3527.29,1520.71 ; S15.1@3621.78,3200.7 ccw(c3629.57,3208.51) 3629.57,3197.48 S16.1 3987.26,3197.48 ; Q23.2 v1(3706.56,2428.4) ; Q49.2 3836.48,1117.77 ccw(c3836.48,1159.52) 3866,1130 3871.15,1135.15 ccw(c3835.3,1171) 3886,1171 3886,1182.58 cw(c3986,1182.58) 3915.29,1253.29 S11.1 ; 4175,3257.57 4174,3256.58 C1.2 C2.2 ; K1.2 LED1.1 ; 1378,2643 1378,2820.41 cw(c1425.28,2820.41) 1391.85,2853.85 1398,2860 cw(c1431.8,2826.2) 1431.8,2874 1527.79,2874 cw(c1527.79,2774) 1598.5,2844.71 Q10.2 1652.98,2818.4 ccw(c1652.98,2918.4) 1723.69,2847.69 1725.71,2849.71 cw(c1796.42,2779) 1796.42,2879 1942.57,2879 cw(c1942.57,2779) 1994.47,2864.48 ; 1994.47,2864.48 cw(c1942.57,2779) 2013.28,2849.71 S5.1 S6.1 2476.99,2777.99 ; 2002.46,1336.72 ccw(c2056.68,1420.74) 2056.68,1320.74 S3.1 S4.1 2448.06,1320.74 ccw(c2448.06,1348.94) 2468,1329 ccw(c2446.27,1350.73) 2477,1350.73 2477,1808 ; 2477,1808 2477,2292 ; 2477,2292 2477,2778 ; 2477,2778 2477,3151.32 ccw(c2377,3151.32) 2447.71,3222.03 S17.1 2517.97,3375.71 cw(c2588.68,3305) 2588.68,3405 3899.93,3405 cw(c3899.93,3305) 3970.64,3375.71 K1.5 4057.97,3226.77 cw(c3987.26,3297.48) 3987.26,3197.48 ; 3527.29,1520.71 cw(c3487.44,1480.86) 3543.8,1480.86 Q47.2 3564.26,1452.77 cw(c3630,1387.03) 3630,1480 3644.48,1480 cw(c3644.48,1380) 3715.19,1450.71 Q48.2 3757.41,1456.11 cw(c3803,1410.52) 3803,1475 3895.58,1475 cw(c3895.58,1375) 3966.29,1445.71 S11.1 ; 3987.26,3197.48 3987.26,2972.68 cw(c3887.26,2972.68) 3957.97,2901.97 3922.29,2866.29 ccw(c3993,2795.58) 3893,2795.58 3893,2709.41 ccw(c3993,2709.41) 3922.29,2638.7 S13.1 S14.1 4394.71,2472.28 cw(c4324,2401.57) 4424,2401.57 4424,2104.91 cw(c4324,2104.91) 4394.71,2034.2 S10.1 ; S11.1 S12.1 4397.71,1429.71 ccw(c4327,1500.42) 4427,1500.42 4427,1857.07 ccw(c4327,1857.07) 4397.71,1927.78 S10.1
  Top Layer w50: K1.5 4175,3257.57 K1.2
  Bottom Layer w20: v1(3435.56,3006.4) ccw(c3435.56,3008.44) 3437,3007 3503.51,3007 ccw(c3503.51,3027.49) 3518,3013 3530.71,3025.71 ccw(c3460,3096.42) 3560,3096.42 cw(c3647.05,3096.42) 3585.5,3157.98 S15.1 ; v1(3706.56,2428.4) ccw(c3706.56,2430.44) 3708,2429 3758.59,2429 ccw(c3758.59,2529) 3829.3,2458.29 S13.1
pads on no net: J1.1 J2.1 J3.1 J4.1 K1.3 K1.4 S1.4 S1.5 S2.4 S2.5 S3.4 S3.5 S4.4 S4.5 S5.4 S5.5 S6.4 S6.5 S7.4 S7.5 S8.4 S8.5 S9.4 S9.5 S10.4 S10.5 S11.4 S11.5 S12.4 S12.5 S13.4 S13.5 S14.4 S14.5 S15.4 S15.5 S16.4 S16.5 S17.4 S17.5 USB. USB.5 USB.6 USB.7 USB.8 USB.SH1 USB.SH2 USB.SH3 USB.SH4

## Polygon pours and split planes (outlines as drawn)
GND on Bottom Layer "GND_L02_P-001" (solid, remove dead copper): 1002.63,1148.63 1002.63,3281.7 cw(c1152.63,3281.7) 1152.63,3431.7 4789.64,3431.7 cw(c4789.64,3281.7) 4939.64,3281.7 4939.64,1148.63 cw(c4789.64,1148.63) 4789.64,998.63 1152.63,998.63 cw(c1152.63,1148.63)

## Silkscreen, mask and mechanical layers (free items; w line width, h text height)
Top Overlay:
  lines w5: 1003,1485.24 2573,1485.24 ; 1003,1971.86 2573,1971.86 ; 1003,2458.47 2573,2458.47 ; 1003,2945.09 2573,2945.09 ; 2573,999 2573,3431 ; 2573,1606.9 4451,1606.9 ; 2573,2215.17 4939.64,2215.17 ; 2573,2823.43 4397.77,2823.43 ; 4451,1002 4451,2215.17
  text "同或门" at 2618,3291 h120
  text "1" at 2240.94,3228 h120
  text "1" at 3750,3167 h120
  text "1" at 3462,3159 h120
  text "0" at 2230,3049 h120
  text "非门" at 1050,3009 h120
  text "0" at 3457,2992 h120
  text "0" at 3741,2990 h120
  text "与门" at 1050,2821 h120
  text "1" at 1924.94,2742 h120
  text "1" at 2240.94,2742 h120
  text "异或门" at 2618,2688 h120
  text "1" at 3807.94,2573 h120
  text "1" at 4108.94,2570 h120
  text "0" at 1914,2563 h120
  text "0" at 2230,2563 h120
  text "0" at 3797,2394 h120
  text "0" at 4098,2391 h120
  text "或门" at 1049.89,2330 h120
  text "1" at 1924.94,2253 h120
  text "1" at 2240.94,2253 h120
  text "同或门" at 2618,2079 h120
  text "0" at 1914,2074 h120
  text "0" at 2230,2074 h120
  text "1" at 3878.94,1946 h120
  text "1" at 4182.94,1943 h120
  text "与非门" at 1050,1842 h120
  text "0" at 3868,1767 h120
  text "1" at 1924.94,1764 h120
  text "1" at 2240.94,1764 h120
  text "0" at 4172,1764 h120
  text "0" at 1914,1585 h120
  text "0" at 2230,1585 h120
  text "异或门" at 2618,1472 h120
  text "1" at 4184.94,1357 h120
  text "或非门" at 1049.89,1354 h120
  text "1" at 3878.94,1342 h120
  text "1" at 1924.94,1295 h120
  text "1" at 2240.94,1295 h120
  text "0" at 4174,1178 h120
  text "0" at 3868,1163 h120
  text "0" at 1914,1116 h120
  text "0" at 2230,1116 h120
  text "Mymymind" at 4670,1089 h260 r75.19
Mechanical 1:
  the board outline again, w5

## Dimensions
1002.63,998.63 to 1002.63,3431.7 on Mechanical 1
1002.63,3431.7 to 4939.64,3431.7 on Mechanical 1